# KiCad board SparkFun_Qwiic_WAV_Trigger_Pro_panelized.kicad_pcb (continued)
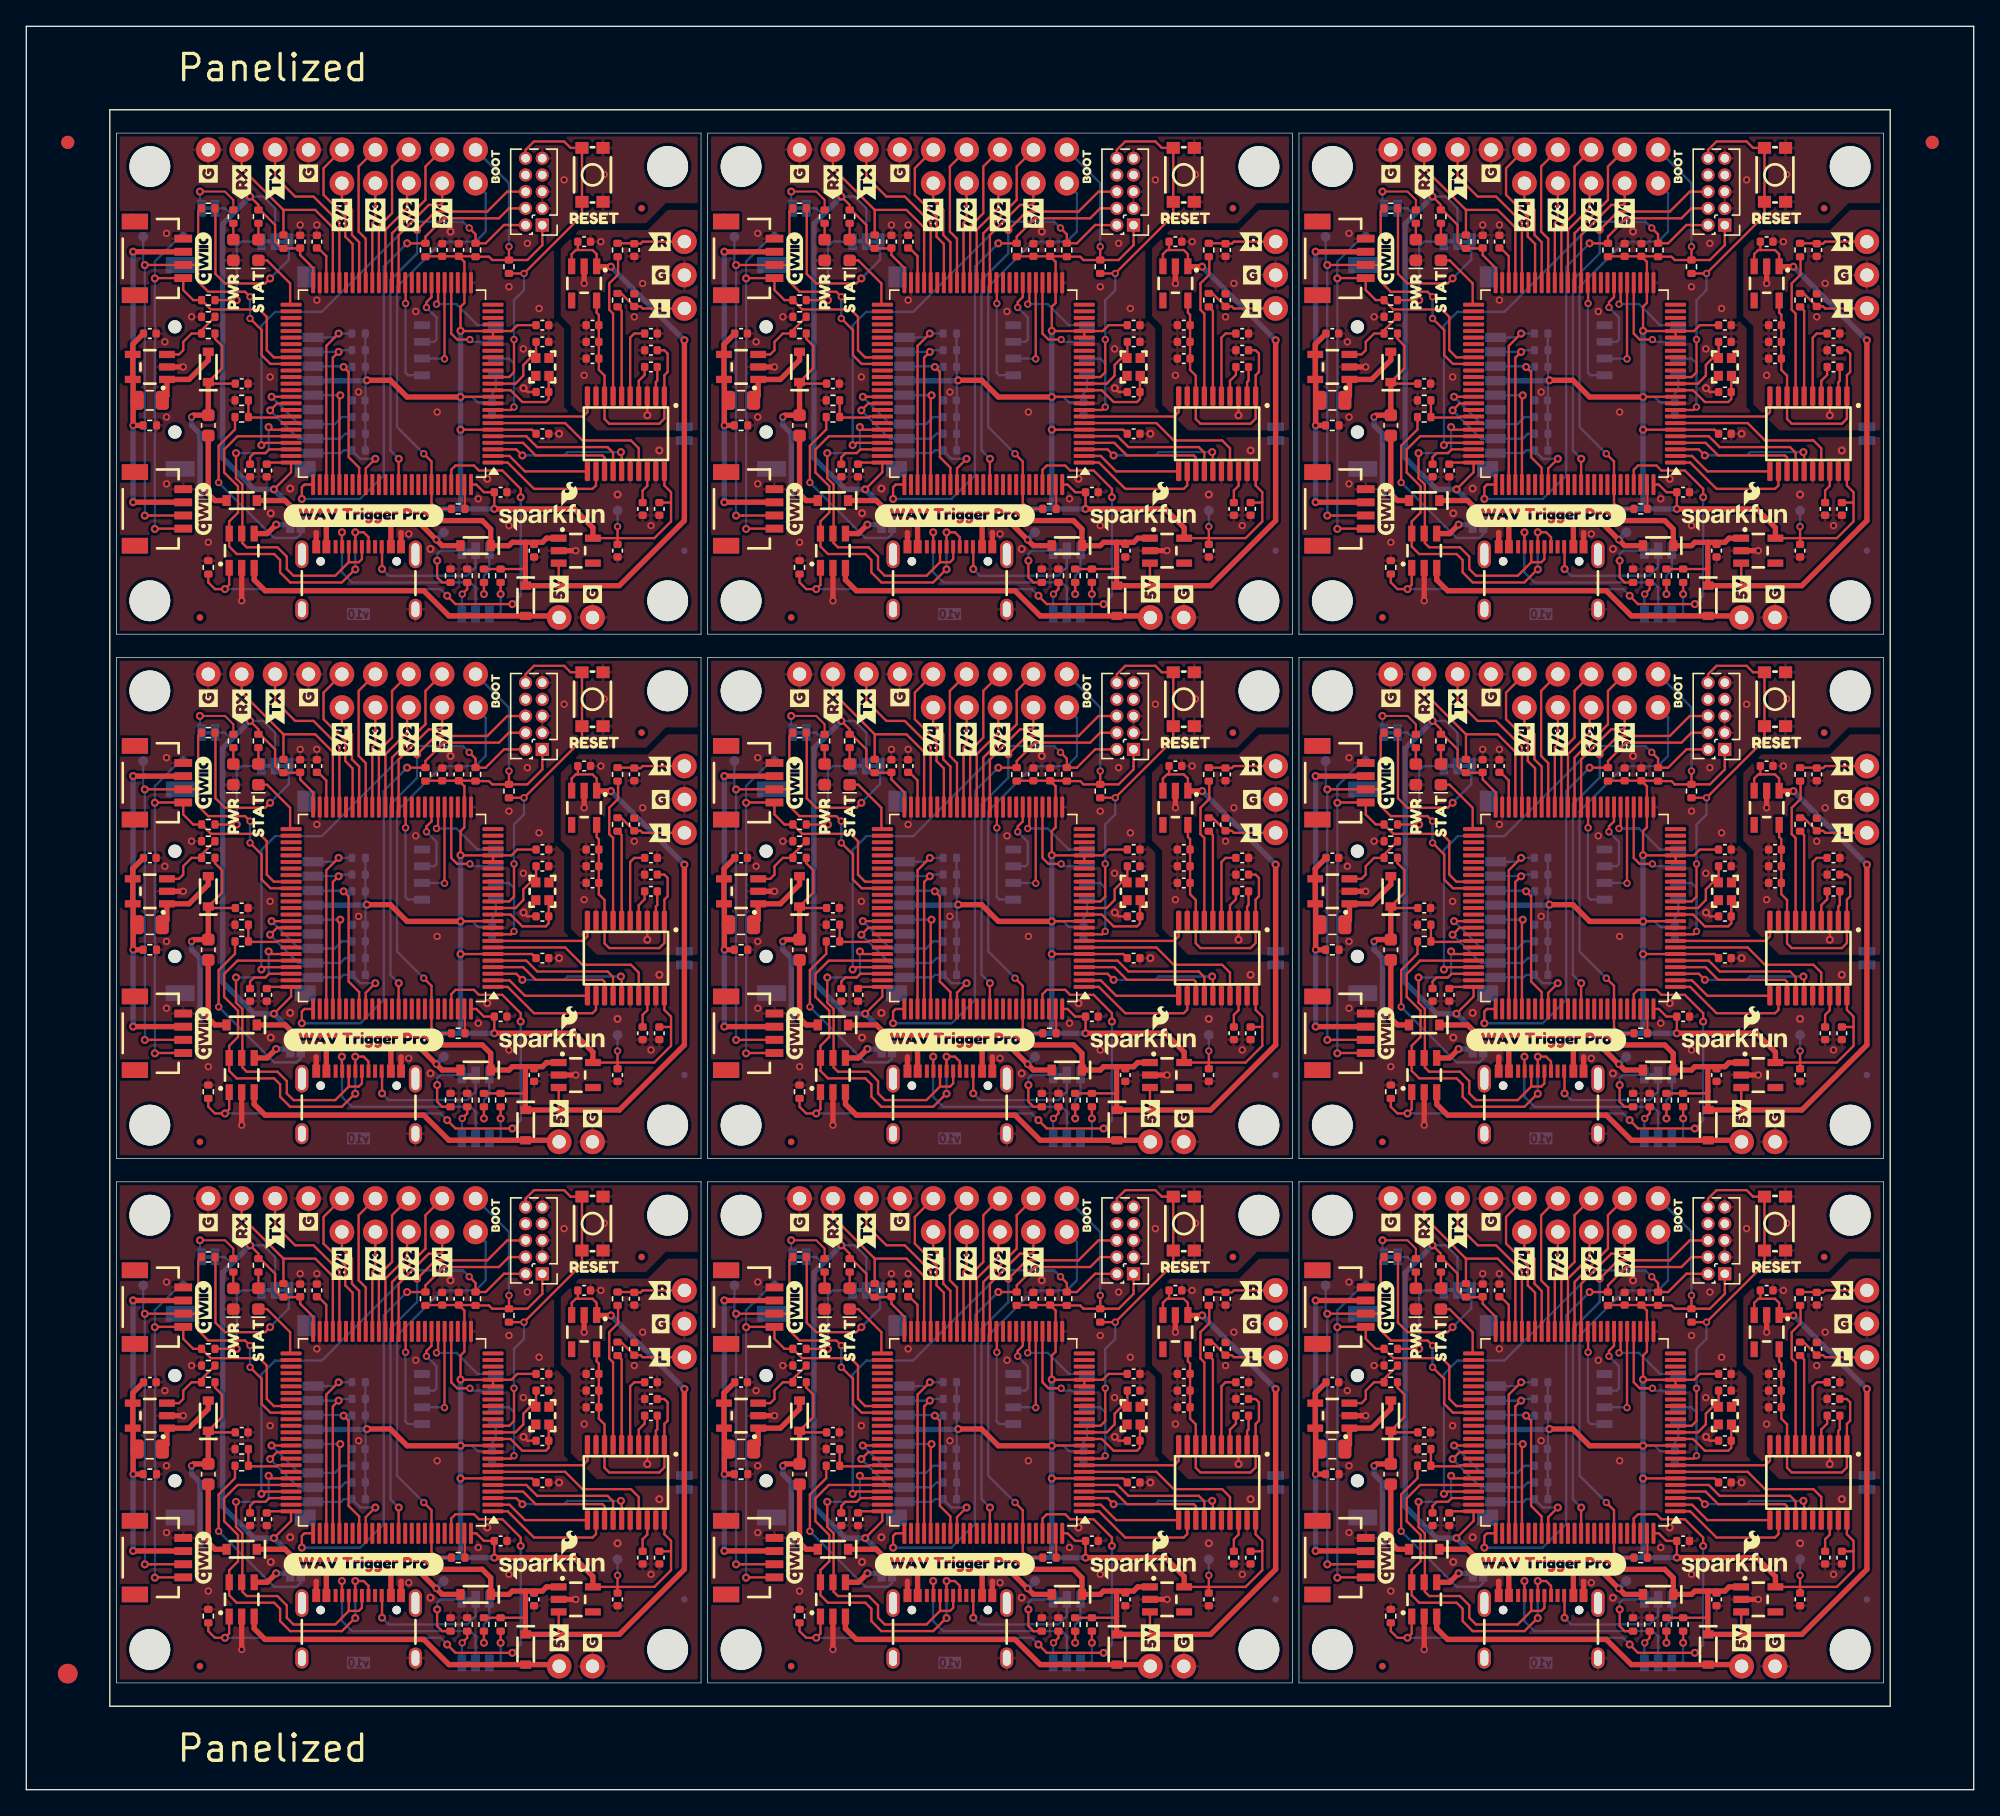
[diagram p0: board, top side]
## Placement (name value [footprint] x y rotation side) (continued)
U1#4  TPD3S014  [SOT23-6]  61.33 54.34 90 top
U1#5  TPD3S014  [SOT23-6]  106.27 94.21 90 top
U1#6  TPD3S014  [SOT23-6]  106.27 14.47 90 top
U1#7  TPD3S014  [SOT23-6]  16.38 94.21 90 top
U1#8  TPD3S014  [SOT23-6]  106.27 54.34 90 top
U1#9  TPD3S014  [SOT23-6]  16.38 14.47 90 top
U2  AP2112K-3.3  [SOT23-5]  86.73 54.34 0 top
U2#2  AP2112K-3.3  [SOT23-5]  86.73 94.21 0 top
U2#3  AP2112K-3.3  [SOT23-5]  131.68 94.21 0 top
U2#4  AP2112K-3.3  [SOT23-5]  86.73 14.47 0 top
U2#5  AP2112K-3.3  [SOT23-5]  41.77 94.21 0 top
U2#6  AP2112K-3.3  [SOT23-5]  131.68 54.34 0 top
U2#7  AP2112K-3.3  [SOT23-5]  131.68 14.47 0 top
U2#8  AP2112K-3.3  [SOT23-5]  41.77 54.34 0 top
U2#9  AP2112K-3.3  [SOT23-5]  41.77 14.47 0 top
U3  STM32H750VBTx  [LQFP-100_14x14mm_P0.5mm]  117.7 106.91 180 top
U3#2  STM32H750VBTx  [LQFP-100_14x14mm_P0.5mm]  72.76 27.17 180 top
U3#3  STM32H750VBTx  [LQFP-100_14x14mm_P0.5mm]  27.8 67.04 180 top
U3#4  STM32H750VBTx  [LQFP-100_14x14mm_P0.5mm]  27.8 106.91 180 top
U3#5  STM32H750VBTx  [LQFP-100_14x14mm_P0.5mm]  72.76 67.04 180 top
U3#6  STM32H750VBTx  [LQFP-100_14x14mm_P0.5mm]  72.76 106.91 180 top
U3#7  STM32H750VBTx  [LQFP-100_14x14mm_P0.5mm]  117.7 67.04 180 top
U3#8  STM32H750VBTx  [LQFP-100_14x14mm_P0.5mm]  117.7 27.17 180 top
U3#9  STM32H750VBTx  [LQFP-100_14x14mm_P0.5mm]  27.8 27.17 180 top
U4  LP5907MFX-3.3  [SOT23-5]  87.36 34.79 270 top
U4#2  LP5907MFX-3.3  [SOT23-5]  42.41 114.53 270 top
U4#3  LP5907MFX-3.3  [SOT23-5]  87.36 114.53 270 top
U4#4  LP5907MFX-3.3  [SOT23-5]  132.31 114.53 270 top
U4#5  LP5907MFX-3.3  [SOT23-5]  132.31 74.66 270 top
U4#6  LP5907MFX-3.3  [SOT23-5]  132.31 34.79 270 top
U4#7  LP5907MFX-3.3  [SOT23-5]  42.41 74.66 270 top
U4#8  LP5907MFX-3.3  [SOT23-5]  87.36 74.66 270 top
U4#9  LP5907MFX-3.3  [SOT23-5]  42.41 34.79 270 top
U5  PCM5100  [TSSOP-20_4.4x6.5mm_P0.65mm]  45.58 63.23 270 top
U5#2  PCM5100  [TSSOP-20_4.4x6.5mm_P0.65mm]  90.54 103.1 270 top
U5#3  PCM5100  [TSSOP-20_4.4x6.5mm_P0.65mm]  135.49 63.23 270 top
U5#4  PCM5100  [TSSOP-20_4.4x6.5mm_P0.65mm]  45.58 103.1 270 top
U5#5  PCM5100  [TSSOP-20_4.4x6.5mm_P0.65mm]  135.49 23.36 270 top
U5#6  PCM5100  [TSSOP-20_4.4x6.5mm_P0.65mm]  90.54 23.36 270 top
U5#7  PCM5100  [TSSOP-20_4.4x6.5mm_P0.65mm]  90.54 63.23 270 top
U5#8  PCM5100  [TSSOP-20_4.4x6.5mm_P0.65mm]  135.49 103.1 270 top
U5#9  PCM5100  [TSSOP-20_4.4x6.5mm_P0.65mm]  45.58 23.36 270 top
U6  AP3012  [SOT23-5]  9.39 108.18 180 top
U6#2  AP3012  [SOT23-5]  54.34 28.44 180 top
U6#3  AP3012  [SOT23-5]  54.34 108.18 180 top
U6#4  AP3012  [SOT23-5]  99.29 108.18 180 top
U6#5  AP3012  [SOT23-5]  54.34 68.31 180 top
U6#6  AP3012  [SOT23-5]  99.29 28.44 180 top
U6#7  AP3012  [SOT23-5]  99.29 68.31 180 top
U6#8  AP3012  [SOT23-5]  9.39 68.31 180 top
U6#9  AP3012  [SOT23-5]  9.39 28.44 180 top
U7  AT25SF041-SSHD-T  [SO-8]  32.89 69.58 0 bottom
U7#2  AT25SF041-SSHD-T  [SO-8]  77.83 29.71 0 bottom
U7#3  AT25SF041-SSHD-T  [SO-8]  77.83 109.45 0 bottom
U7#4  AT25SF041-SSHD-T  [SO-8]  32.89 109.45 0 bottom
U7#5  AT25SF041-SSHD-T  [SO-8]  77.83 69.58 0 bottom
U7#6  AT25SF041-SSHD-T  [SO-8]  122.79 109.45 0 bottom
U7#7  AT25SF041-SSHD-T  [SO-8]  122.79 29.71 0 bottom
U7#8  AT25SF041-SSHD-T  [SO-8]  122.79 69.58 0 bottom
U7#9  AT25SF041-SSHD-T  [SO-8]  32.89 29.71 0 bottom
U8  ~  [Ordering_Instructions]  169.21 30.59 0 top
Y1  24MHz  [Crystal_SMD_2.0x1.6mm]  39.23 68.31 270 top
Y1#2  24MHz  [Crystal_SMD_2.0x1.6mm]  84.18 108.18 270 top
Y1#3  24MHz  [Crystal_SMD_2.0x1.6mm]  39.23 108.18 270 top
Y1#4  24MHz  [Crystal_SMD_2.0x1.6mm]  84.18 28.44 270 top
Y1#5  24MHz  [Crystal_SMD_2.0x1.6mm]  84.18 68.31 270 top
Y1#6  24MHz  [Crystal_SMD_2.0x1.6mm]  129.13 108.18 270 top
Y1#7  24MHz  [Crystal_SMD_2.0x1.6mm]  129.13 28.44 270 top
Y1#8  24MHz  [Crystal_SMD_2.0x1.6mm]  129.13 68.31 270 top
Y1#9  24MHz  [Crystal_SMD_2.0x1.6mm]  39.23 28.44 270 top

## Library data of the parts
C1 C1#2-C1#8 C2 C2#2-C2#8 C26 C26#2-C26#8 C27 C27#2-C27#8 = -: Datasheet: https://cdn.sparkfun.com/assets/8/a/4/a/5/Kemet_Capacitor_Datasheet.pdf; Description: Unpolarized capacitor; PROD_ID: CAP-14969; Voltage: 16V; Tolerance: 10%
C1#9 C2#9 C26#9 C27#9 = -: Datasheet: https://cdn.sparkfun.com/assets/8/a/4/a/5/Kemet_Capacitor_Datasheet.pdf; Description: Unpolarized capacitor; PROD_ID: CAP-14969; Voltage: 16V; Tolerance: 10%; ki_fp_filters: C_*
C3 C3#2-C3#8 C4 C4#2-C4#8 C6 C6#2-C6#8 C7 C7#2-C7#8 C9 C9#2-C9#8 C10 C10#2-C10#8 C14 C14#2-C14#8 C16 C16#2-C16#8 C17 C17#2-C17#8 C18 C18#2-C18#8 C22 C22#2-C22#8 C25 C25#2-C25#8 C28 C28#2-C28#8 = -: Datasheet: https://cdn.sparkfun.com/assets/8/a/4/a/5/Kemet_Capacitor_Datasheet.pdf; Description: Unpolarized capacitor; PROD_ID: CAP-15083; Voltage: 10V; Tolerance: 10%
C3#9 C4#9 C6#9 C7#9 C9#9 C10#9 C14#9 C16#9 C17#9 C18#9 C22#9 C25#9 C28#9 = -: Datasheet: https://cdn.sparkfun.com/assets/8/a/4/a/5/Kemet_Capacitor_Datasheet.pdf; Description: Unpolarized capacitor; PROD_ID: CAP-15083; Voltage: 10V; Tolerance: 10%; ki_fp_filters: C_*
C5 C5#2-C5#8 C15 C15#2-C15#8 = -: Datasheet: https://cdn.sparkfun.com/assets/8/a/4/a/5/Kemet_Capacitor_Datasheet.pdf; Description: Unpolarized capacitor; PROD_ID: CAP-14240; Voltage: 6.3V; Tolerance: 20%
C5#9 C15#9 = -: Datasheet: https://cdn.sparkfun.com/assets/8/a/4/a/5/Kemet_Capacitor_Datasheet.pdf; Description: Unpolarized capacitor; PROD_ID: CAP-14240; Voltage: 6.3V; Tolerance: 20%; ki_fp_filters: C_*
C8 C8#2-C8#8 C13 C13#2-C13#8 C20 C20#2-C20#8 C21 C21#2-C21#8 = -: Datasheet: https://cdn.sparkfun.com/assets/8/a/4/a/5/Kemet_Capacitor_Datasheet.pdf; Description: Unpolarized capacitor; PROD_ID: CAP-14232; Voltage: 10V; Tolerance: 10%
C8#9 C13#9 C20#9 C21#9 = -: Datasheet: https://cdn.sparkfun.com/assets/8/a/4/a/5/Kemet_Capacitor_Datasheet.pdf; Description: Unpolarized capacitor; PROD_ID: CAP-14232; Voltage: 10V; Tolerance: 10%; ki_fp_filters: C_*
C11 C11#2-C11#8 C12 C12#2-C12#8 = -: Datasheet: https://cdn.sparkfun.com/assets/8/a/4/a/5/Kemet_Capacitor_Datasheet.pdf; Description: Unpolarized capacitor; PROD_ID: CAP-14843; Voltage: 50V; Tolerance: 5%
C11#9 C12#9 = -: Datasheet: https://cdn.sparkfun.com/assets/8/a/4/a/5/Kemet_Capacitor_Datasheet.pdf; Description: Unpolarized capacitor; PROD_ID: CAP-14843; Voltage: 50V; Tolerance: 5%; ki_fp_filters: C_*
C19 C19#2-C19#8 = -: Datasheet: https://cdn.sparkfun.com/assets/8/a/4/a/5/Kemet_Capacitor_Datasheet.pdf; Description: Unpolarized capacitor; PROD_ID: CAP-14848; Voltage: 6.3V; Tolerance: 20%
C19#9 = -: Datasheet: https://cdn.sparkfun.com/assets/8/a/4/a/5/Kemet_Capacitor_Datasheet.pdf; Description: Unpolarized capacitor; PROD_ID: CAP-14848; Voltage: 6.3V; Tolerance: 20%; ki_fp_filters: C_*
C23 C23#2-C23#8 C24 C24#2-C24#8 = -: Datasheet: https://cdn.sparkfun.com/assets/8/a/4/a/5/Kemet_Capacitor_Datasheet.pdf; Description: Unpolarized capacitor; PROD_ID: CAP-22103; Voltage: 50V; Tolerance: 10%
C23#9 C24#9 = -: Datasheet: https://cdn.sparkfun.com/assets/8/a/4/a/5/Kemet_Capacitor_Datasheet.pdf; Description: Unpolarized capacitor; PROD_ID: CAP-22103; Voltage: 50V; Tolerance: 10%; ki_fp_filters: C_*
D1 D1#2-D1#8 D2 D2#2-D2#8 D6 D6#2-D6#8 = -: Datasheet: https://www.infineon.com/dgdl/bat60aseries.pdf?folderId=db3a304313d846880113def5812204a1&fileId=db3a304313d846880113def70c9304a9; Description: Schottky diode; PROD_ID: DIO-14072; IMax: 3A; VDrop: 0.28V; VMax: 10V
D1#9 D2#9 D6#9 = -: Datasheet: https://www.infineon.com/dgdl/bat60aseries.pdf?folderId=db3a304313d846880113def5812204a1&fileId=db3a304313d846880113def70c9304a9; Description: Schottky diode; PROD_ID: DIO-14072; IMax: 3A; VDrop: 0.28V; VMax: 10V; ki_fp_filters: TO-???* *_Diode_* *SingleDiode* D_*
D3 D3#2-D3#8 = -: Datasheet: https://docs.broadcom.com/docs/AV02-0551EN; Description: Light emitting diode; PROD_ID: DIO-17976
D3#9 = -: Datasheet: https://docs.broadcom.com/docs/AV02-0551EN; Description: Light emitting diode; PROD_ID: DIO-17976; ki_fp_filters: LED* LED_SMD:* LED_THT:*
D4 D4#2-D4#8 = -: Datasheet: https://docs.broadcom.com/docs/AV02-0551EN; Description: Light emitting diode; PROD_ID: DIO-00821
D4#9 = -: Datasheet: https://docs.broadcom.com/docs/AV02-0551EN; Description: Light emitting diode; PROD_ID: DIO-00821; ki_fp_filters: LED* LED_SMD:* LED_THT:*
D5 D5#2-D5#8 = -: Datasheet: https://assets.nexperia.com/documents/data-sheet/PMEG4005EJ.pdf; Description: Schottky diode; PROD_ID: DIO-10955; VDrop: 0.42V; VMax: 40V; IMax: 0.5A
D5#9 = -: Datasheet: https://assets.nexperia.com/documents/data-sheet/PMEG4005EJ.pdf; Description: Schottky diode; PROD_ID: DIO-10955; VDrop: 0.42V; VMax: 40V; IMax: 0.5A; ki_fp_filters: TO-???* *_Diode_* *SingleDiode* D_*
FID1 FID1#2-FID1#8 FID2 FID2#2-FID2#8 FID3 FID3#2-FID3#8 FID4 FID4#2-FID4#8 = -: Description: Fiducial Marker
FID1#9 FID2#9 FID3#9 FID4#9 = -: Description: Fiducial Marker; ki_fp_filters: Fiducial*
J1 J1#2-J1#8 J10 J10#2-J10#8 = -: Description: Generic connector, single row, 01x02, script generated (kicad-library-utils/schlib/autogen/connector/)
J1#9 J10#9 = -: Description: Generic connector, single row, 01x02, script generated (kicad-library-utils/schlib/autogen/connector/); ki_fp_filters: Connector*:*_1x??_*
J2 J2#2-J2#8 = -: Datasheet: https://www.usb.org/sites/default/files/documents/usb_type-c.zip; Description: USB 2.0-only Type-C Receptacle connector; PROD_ID: CONN-14122
J2#9 = -: Datasheet: https://www.usb.org/sites/default/files/documents/usb_type-c.zip; Description: USB 2.0-only Type-C Receptacle connector; PROD_ID: CONN-14122; ki_fp_filters: USB*C*Receptacle*
J3 J3#2-J3#8 J4 J4#2-J4#8 = -: Datasheet: https://www.jst-mfg.com/product/pdf/eng/eSH.pdf; Description: 4 pin JST 1mm polarized connector for I2C; PROD_ID: CONN-13694
J3#9 J4#9 = -: Datasheet: https://www.jst-mfg.com/product/pdf/eng/eSH.pdf; Description: 4 pin JST 1mm polarized connector for I2C; PROD_ID: CONN-13694; ki_fp_filters: Connector*:*_1x??_*
J5 J5#2-J5#8 = -: Datasheet: https://datasheet.lcsc.com/lcsc/2110151630_XKB-Connectivity-XKTF-015-N_C381082.pdf; Description: Micro SD socket External Pin; PROD_ID: CONN-16110
J5#9 = -: Datasheet: https://datasheet.lcsc.com/lcsc/2110151630_XKB-Connectivity-XKTF-015-N_C381082.pdf; Description: Micro SD socket External Pin; PROD_ID: CONN-16110; ki_fp_filters: microSD*
J6 J6#2-J6#8 = -: Description: Generic connector, single row, 01x08, script generated (kicad-library-utils/schlib/autogen/connector/)
J6#9 = -: Description: Generic connector, single row, 01x08, script generated (kicad-library-utils/schlib/autogen/connector/); ki_fp_filters: Connector*:*_1x??_*
J7 J7#2-J7#9 = -: Datasheet: https://cdn.sparkfun.com/assets/3/0/b/4/0/00140.pdf; Description: Cortex Debug Connector 10 pin; SF_ID: PRT-15362
J8 J8#2-J8#8 = -: Description: Generic connector, single row, 01x03, script generated (kicad-library-utils/schlib/autogen/connector/)
J8#9 = -: Description: Generic connector, single row, 01x03, script generated (kicad-library-utils/schlib/autogen/connector/); ki_fp_filters: Connector*:*_1x??_*
J9 J9#2-J9#8 = -: Description: Generic connector, single row, 01x04, script generated (kicad-library-utils/schlib/autogen/connector/)
J9#9 = -: Description: Generic connector, single row, 01x04, script generated (kicad-library-utils/schlib/autogen/connector/); ki_fp_filters: Connector*:*_1x??_*
JP1 JP1#2-JP1#8 JP2 JP2#2-JP2#8 = -: Description: 3-pole Solder Jumper, pins 1+2 closed/bridged
JP1#9 JP2#9 = -: Description: 3-pole Solder Jumper, pins 1+2 closed/bridged; ki_fp_filters: SolderJumper*Bridged12*
JP3 JP3#2-JP3#8 = -: Description: Solder Jumper, 2-pole, open
JP3#9 = -: Description: Solder Jumper, 2-pole, open; ki_fp_filters: SolderJumper*Open*
JP4 JP4#2-JP4#8 JP6 JP6#2-JP6#8 = -: Description: Solder Jumper, 2-pole, closed/bridged
JP4#9 JP6#9 = -: Description: Solder Jumper, 2-pole, closed/bridged; ki_fp_filters: SolderJumper*Bridged*
JP5 JP5#2-JP5#8 = -: Description: Solder Jumper, 3-pole, pins 1+2+3 closed/bridged
JP5#9 = -: Description: Solder Jumper, 3-pole, pins 1+2+3 closed/bridged; ki_fp_filters: SolderJumper*Bridged123*
L1 L1#2-L1#8 = -: Description: Inductor; PROD_ID: NDUC-19198; Current: 350mA
L1#9 = -: Description: Inductor; PROD_ID: NDUC-19198; Current: 350mA; ki_fp_filters: Choke_* *Coil* Inductor_* L_*
L2 L2#2-L2#8 = -: Datasheet: https://product.tdk.com/en/system/files?file=dam/doc/product/emc/emc/beads/catalog/beads_commercial_power_mpz1608_en.pdf; Description: Inductor; PROD_ID: NDUC-07859; Frequency: 100MHz
L2#9 = -: Datasheet: https://product.tdk.com/en/system/files?file=dam/doc/product/emc/emc/beads/catalog/beads_commercial_power_mpz1608_en.pdf; Description: Inductor; PROD_ID: NDUC-07859; Frequency: 100MHz; ki_fp_filters: Choke_* *Coil* Inductor_* L_*
R1 R1#2-R1#8 R8 R8#2-R8#8 R9 R9#2-R9#8 R16 R16#2-R16#8 R17 R17#2-R17#8 R21 R21#2-R21#8 R22 R22#2-R22#8 = -: Datasheet: https://www.vishay.com/docs/20035/dcrcwe3.pdf; Description: Resistor; PROD_ID: RES-14241
R1#9 R8#9 R9#9 R16#9 R17#9 R21#9 R22#9 = -: Datasheet: https://www.vishay.com/docs/20035/dcrcwe3.pdf; Description: Resistor; PROD_ID: RES-14241; ki_fp_filters: R_*
R2 R2#2-R2#8 R4 R4#2-R4#8 = -: Datasheet: https://www.vishay.com/docs/20035/dcrcwe3.pdf; Description: Resistor; PROD_ID: RES-22102
R2#9 R4#9 = -: Datasheet: https://www.vishay.com/docs/20035/dcrcwe3.pdf; Description: Resistor; PROD_ID: RES-22102; ki_fp_filters: R_*
R3 R3#2-R3#8 R5 R5#2-R5#8 = -: Datasheet: https://www.vishay.com/docs/20035/dcrcwe3.pdf; Description: Resistor; PROD_ID: RES-14340
R3#9 R5#9 = -: Datasheet: https://www.vishay.com/docs/20035/dcrcwe3.pdf; Description: Resistor; PROD_ID: RES-14340; ki_fp_filters: R_*
R6 R6#2-R6#8 = -: Datasheet: https://www.vishay.com/docs/20035/dcrcwe3.pdf; Description: Resistor; PROD_ID: RES-15343
R6#9 = -: Datasheet: https://www.vishay.com/docs/20035/dcrcwe3.pdf; Description: Resistor; PROD_ID: RES-15343; ki_fp_filters: R_*
R7 R7#2-R7#8 R10 R10#2-R10#8 R12 R12#2-R12#8 R13 R13#2-R13#8 R14 R14#2-R14#8 R18 R18#2-R18#8 R20 R20#2-R20#8 R23 R23#2-R23#8 R25 R25#2-R25#8 = -: Datasheet: https://www.vishay.com/docs/20035/dcrcwe3.pdf; Description: Resistor; PROD_ID: RES-13495
R7#9 R10#9 R12#9 R13#9 R14#9 R18#9 R20#9 R23#9 R25#9 = -: Datasheet: https://www.vishay.com/docs/20035/dcrcwe3.pdf; Description: Resistor; PROD_ID: RES-13495; ki_fp_filters: R_*
R11 R11#2-R11#8 R15 R15#2-R15#8 = -: Datasheet: https://www.vishay.com/docs/20035/dcrcwe3.pdf; Description: Resistor; PROD_ID: RES-14341
R11#9 R15#9 = -: Datasheet: https://www.vishay.com/docs/20035/dcrcwe3.pdf; Description: Resistor; PROD_ID: RES-14341; ki_fp_filters: R_*
R19 R19#2-R19#8 = -: Datasheet: https://www.vishay.com/docs/20035/dcrcwe3.pdf; Description: Resistor; PROD_ID: RES-14342
R19#9 = -: Datasheet: https://www.vishay.com/docs/20035/dcrcwe3.pdf; Description: Resistor; PROD_ID: RES-14342; ki_fp_filters: R_*
R24 R24#2-R24#8 = -: Datasheet: https://www.vishay.com/docs/20035/dcrcwe3.pdf; Description: Resistor; PROD_ID: RES-15128
R24#9 = -: Datasheet: https://www.vishay.com/docs/20035/dcrcwe3.pdf; Description: Resistor; PROD_ID: RES-15128; ki_fp_filters: R_*
R26 R26#2-R26#8 = -: Datasheet: https://www.vishay.com/docs/20035/dcrcwe3.pdf; Description: Resistor; PROD_ID: RES-13766
R26#9 = -: Datasheet: https://www.vishay.com/docs/20035/dcrcwe3.pdf; Description: Resistor; PROD_ID: RES-13766; ki_fp_filters: R_*
R27 R27#2-R27#8 = -: Datasheet: https://www.vishay.com/docs/20035/dcrcwe3.pdf; Description: Resistor; PROD_ID: RES-22993
R27#9 = -: Datasheet: https://www.vishay.com/docs/20035/dcrcwe3.pdf; Description: Resistor; PROD_ID: RES-22993; ki_fp_filters: R_*
ST1 ST1#2-ST1#8 ST2 ST2#2-ST2#8 ST3 ST3#2-ST3#8 ST4 ST4#2-ST4#8 = -: Description: Drill holes for mechanically mounting via screws, standoffs, etc.
ST1#9 ST2#9 ST3#9 ST4#9 = -: Description: Drill holes for mechanically mounting via screws, standoffs, etc.; ki_fp_filters: Fiducial*
SW1 SW1#2-SW1#9 = -: Description: Single Pole Single Throw (SPST) switch; PROD_ID: SWCH-15606
TP1 TP1#2-TP1#8 TP2 TP2#2-TP2#8 TP3 TP3#2-TP3#8 TP4 TP4#2-TP4#8 TP5 TP5#2-TP5#8 = -: Description: Test Point
TP1#9 TP2#9 TP3#9 TP4#9 TP5#9 = -: Description: Test Point; ki_fp_filters: Pin* Test*
U1 U1#2-U1#8 = -: Datasheet: http://www.ti.com/lit/ds/symlink/tpd3s014.pdf; Description: Current Limit Switch and D+/D– ESD Protection for USB Host Port, 0.5A, SOT-23-6; PROD_ID: IC-22104
U1#9 = -: Datasheet: http://www.ti.com/lit/ds/symlink/tpd3s014.pdf; Description: Current Limit Switch and D+/D– ESD Protection for USB Host Port, 0.5A, SOT-23-6; PROD_ID: IC-22104; ki_fp_filters: SOT?23*
U2 U2#2-U2#8 = -: Datasheet: https://www.diodes.com/assets/Datasheets/AP2112.pdf; Description: 600mA low dropout linear regulator, with enable pin, 3.8V-6V input voltage range, 3.3V fixed positive output, SOT-23-5; PROD_ID: VREG-12457; VMax: 6V; Imax: 600mA; Iq: 55µA
U2#9 = -: Datasheet: https://www.diodes.com/assets/Datasheets/AP2112.pdf; Description: 600mA low dropout linear regulator, with enable pin, 3.8V-6V input voltage range, 3.3V fixed positive output, SOT-23-5; PROD_ID: VREG-12457; VMax: 6V; Imax: 600mA; Iq: 55µA; ki_fp_filters: SOT?23?5*
U3 U3#2-U3#8 = -: Datasheet: https://www.st.com/resource/en/datasheet/stm32h750vb.pdf; Description: STM32; PROD_ID: IC-22101
U3#9 = -: Datasheet: https://www.st.com/resource/en/datasheet/stm32h750vb.pdf; Description: STM32; PROD_ID: IC-22101; ki_fp_filters: LQFP*14x14mm*P0.5mm*
U4 U4#2-U4#8 = -: Datasheet: http://www.ti.com/lit/ds/symlink/lp5907.pdf; Description: 250mA Ultra-Low-Noise Low-IQ LDO, 3.3V, SOT-23; PROD_ID: IC-22105
U4#9 = -: Datasheet: http://www.ti.com/lit/ds/symlink/lp5907.pdf; Description: 250mA Ultra-Low-Noise Low-IQ LDO, 3.3V, SOT-23; PROD_ID: IC-22105; ki_fp_filters: SOT?23*
U5 U5#2-U5#8 = -: Datasheet: http://www.ti.com/lit/ds/symlink/pcm5100.pdf; Description: 2VRMS DirectPath, 100dB Audio Stereo DAC with 32-bit, 384kHz PCM Interface, TSSOP-20; PROD_ID: IC-11708
U5#9 = -: Datasheet: http://www.ti.com/lit/ds/symlink/pcm5100.pdf; Description: 2VRMS DirectPath, 100dB Audio Stereo DAC with 32-bit, 384kHz PCM Interface, TSSOP-20; PROD_ID: IC-11708; ki_fp_filters: TSSOP*4.4x6.5mm*P0.65mm*
U6 U6#2-U6#8 = -: Datasheet: https://www.diodes.com/assets/Datasheets/AP3012.pdf; Description: 500mA, Adjustable Step-Up Voltage Regulator, 1.5MHz Frequency, SOT-23-5; PROD_ID: VREG-13911
U6#9 = -: Datasheet: https://www.diodes.com/assets/Datasheets/AP3012.pdf; Description: 500mA, Adjustable Step-Up Voltage Regulator, 1.5MHz Frequency, SOT-23-5; PROD_ID: VREG-13911; ki_fp_filters: SOT?23*
U7 U7#2-U7#8 = -: Datasheet: https://www.renesas.com/us/en/document/dst/at25sf041-datasheet?language=en; Description: 4Mb Serial Flash Memory, Standard/Dual/Quad SPI, 8-SOIC; PROD_ID: IC-12455
U7#9 = -: Datasheet: https://www.renesas.com/us/en/document/dst/at25sf041-datasheet?language=en; Description: 4Mb Serial Flash Memory, Standard/Dual/Quad SPI, 8-SOIC; PROD_ID: IC-12455; ki_fp_filters: SOIC*5.23x5.23mm*P1.27mm*
Y1 Y1#2-Y1#8 = -: Datasheet: https://www.murata.com/products/productdata/8801075560478/SPEC-XRCGB24M000F2P00R0.pdf; Description: Crystal; PROD_ID: XTAL-14845
Y1#9 = -: Datasheet: https://www.murata.com/products/productdata/8801075560478/SPEC-XRCGB24M000F2P00R0.pdf; Description: Crystal; PROD_ID: XTAL-14845; ki_fp_filters: Crystal*

## Footprints (pads in the part's own frame, mm; a bottom-side part is the same pattern mirrored in y, then rotated)
1x02
  round 1.88 hole 1.016: 1(0,0) 2(2.54,0)
1x03
  round 1.88 hole 1.016: 1(0,0) 2(2.54,0) 3(5.08,0)
1x04
  round 1.88 hole 1.016: 1(0,0) 2(2.54,0) 3(5.08,0) 4(7.62,0)
1x08
  round 1.88 hole 1.016: 1(0,0) 2(2.54,0) 3(5.08,0) 4(7.62,0) 5(10.16,0) 6(12.7,0) 7(15.24,0) 8(17.78,0)
2x05_P1.27mm
  rect 1x1 hole 0.65: 1(0,0)
  oval 1x1 hole 0.65: 2(1.27,0) 3(0,-1.27) 4(1.27,-1.27) 5(0,-2.54) 6(1.27,-2.54) 7(0,-3.81) 8(1.27,-3.81) 9(0,-5.08) 10(1.27,-5.08)
C_0402_1005Metric
  rrect 0.56x0.62 smd: 1(-0.48,0) 2(0.48,0)
C_0603_1608Metric
  rrect 0.9x0.95 smd: 1(-0.775,0) 2(0.775,0)
C_0805_2012Metric
  rrect 1x1.45 smd: 1(-0.95,0) 2(0.95,0)
Crystal_SMD_2.0x1.6mm
  rect 0.75x0.7 smd: 1(-0.675,-0.5) 2(0.675,0.5) NC(-0.675,0.5) NC(0.675,-0.5)
Fiducial_0.5mm_Mask1mm
  round 0.5 smd: (0,0)
Fiducial_1.5mm_Mask3mm
  round 1.5 smd: (0,0)
Fiducial_1mm_Mask3mm
  round 1 smd: (0,0)
JST_SMD_1.0mm-4_RA
  rect 0.6x1.35 smd: 1(-1.5,0) 2(-0.5,0) 3(0.5,0) 4(1.5,0)
  rect 1.2x2 smd: NC1(2.8,-3.675) NC2(-2.8,-3.675)
Jumper_2_NC_Trace
  rect 0.66x1.27 smd: 1(-0.521,0) 2(0.521,0)
Jumper_2_NO
  rect 0.635x1.27 smd: 1(-0.406,0) 2(0.406,0)
Jumper_3_NC-1_Trace
  rect 0.66x1.27 smd: 1(-1.041,0) 2(0,0) 3(1.041,0)
Jumper_3_NC-2_Trace
  rect 0.66x1.27 smd: 1(-1.041,0) 2(0,0) 3(1.041,0)
LED_0603_1608Metric_Green
  rrect 0.875x0.95 smd: 1(-0.787,0) 2(0.787,0)
LED_0603_1608Metric_Red
  rrect 0.875x0.95 smd: 1(-0.787,0) 2(0.787,0)
LQFP-100_14x14mm_P0.5mm
  rrect 1.6x0.3 smd: 1(-7.675,6) 2(-7.675,5.5) 3(-7.675,5) 4(-7.675,4.5) 5(-7.675,4) 6(-7.675,3.5) 7(-7.675,3) 8(-7.675,2.5) 9(-7.675,2) 10(-7.675,1.5) 11(-7.675,1) 12(-7.675,0.5) 13(-7.675,0) 14(-7.675,-0.5) 15(-7.675,-1) 16(-7.675,-1.5) 17(-7.675,-2) 18(-7.675,-2.5) 19(-7.675,-3) 20(-7.675,-3.5) 21(-7.675,-4) 22(-7.675,-4.5) 23(-7.675,-5) 24(-7.675,-5.5) 25(-7.675,-6) 51(7.675,-6) 52(7.675,-5.5) 53(7.675,-5) 54(7.675,-4.5) 55(7.675,-4) 56(7.675,-3.5) 57(7.675,-3) 58(7.675,-2.5) 59(7.675,-2) 60(7.675,-1.5) 61(7.675,-1) 62(7.675,-0.5) 63(7.675,0) 64(7.675,0.5) 65(7.675,1) 66(7.675,1.5) 67(7.675,2) 68(7.675,2.5) 69(7.675,3) 70(7.675,3.5) 71(7.675,4) 72(7.675,4.5) 73(7.675,5) 74(7.675,5.5) 75(7.675,6)
  rrect 0.3x1.6 smd: 26(-6,-7.675) 27(-5.5,-7.675) 28(-5,-7.675) 29(-4.5,-7.675) 30(-4,-7.675) 31(-3.5,-7.675) 32(-3,-7.675) 33(-2.5,-7.675) 34(-2,-7.675) 35(-1.5,-7.675) 36(-1,-7.675) 37(-0.5,-7.675) 38(0,-7.675) 39(0.5,-7.675) 40(1,-7.675) 41(1.5,-7.675) 42(2,-7.675) 43(2.5,-7.675) 44(3,-7.675) 45(3.5,-7.675) 46(4,-7.675) 47(4.5,-7.675) 48(5,-7.675) 49(5.5,-7.675) 50(6,-7.675) 76(6,7.675) 77(5.5,7.675) 78(5,7.675) 79(4.5,7.675) 80(4,7.675) 81(3.5,7.675) 82(3,7.675) 83(2.5,7.675) 84(2,7.675) 85(1.5,7.675) 86(1,7.675) 87(0.5,7.675) 88(0,7.675) 89(-0.5,7.675) 90(-1,7.675) 91(-1.5,7.675) 92(-2,7.675) 93(-2.5,7.675) 94(-3,7.675) 95(-3.5,7.675) 96(-4,7.675) 97(-4.5,7.675) 98(-5,7.675) 99(-5.5,7.675) 100(-6,7.675)
microSD_External_Pin
  round 1 hole 1 unplated: (-4.95,0) (3.05,0)
  rect 0.7x1.6 smd: 1(2.25,10.5) 2(1.15,10.5) 3(0.05,10.5) 4(-1.05,10.5) 5(-2.15,10.5) 6(-3.25,10.5) 7(-4.35,10.5) 8(-5.45,10.5) 9(-6.55,10.5)
  rect 1.2x1.6 smd: 10(-7.75,9.9)
  rect 1.2x2.2 smd: 11(-7.75,0.4) 12(7.75,0.4)
  rect 1.6x1.4 smd: 13(6.85,10)
Push_SMD_4.6x2.8mm_h2.5mm
  rect 0.9x1 smd: 1(-2.05,0.8) 1(2.05,0.8) 2(-2.05,-0.8) 2(2.05,-0.8)
R_0402_1005Metric
  rrect 0.54x0.64 smd: 1(-0.51,0) 2(0.51,0)
SO-8
  rect 1.2x0.6 smd: 1(-2.8,1.905) 2(-2.8,0.635) 3(-2.8,-0.635) 4(-2.8,-1.905) 5(2.8,-1.905) 6(2.8,-0.635) 7(2.8,0.635) 8(2.8,1.905)
SOD-323
  rect 0.63x0.83 smd: A(1.15,0) C(-1.15,0)
SOT23-5
  rect 1.2x0.55 smd: 1(-1.3,0.95) 2(-1.3,0) 3(-1.3,-0.95) 4(1.3,-0.95) 5(1.3,0.95)
SOT23-6
  rect 1.2x0.55 smd: 1(-1.3,0.95) 2(-1.3,0) 3(-1.3,-0.95) 4(1.3,-0.95) 5(1.3,0) 6(1.3,0.95)
Standoff
  round 3.1 hole 3.1 unplated: (0,0)
TestPoint-0.75mm
  rrect 0.75x0.75 smd: 1(0,0)
TSSOP-20_4.4x6.5mm_P0.65mm
  rrect 1.475x0.4 smd: 1(-2.862,2.925) 2(-2.862,2.275) 3(-2.862,1.625) 4(-2.862,0.975) 5(-2.862,0.325) 6(-2.862,-0.325) 7(-2.862,-0.975) 8(-2.862,-1.625) 9(-2.862,-2.275) 10(-2.862,-2.925) 11(2.862,-2.925) 12(2.862,-2.275) 13(2.862,-1.625) 14(2.862,-0.975) 15(2.862,-0.325) 16(2.862,0.325) 17(2.862,0.975) 18(2.862,1.625) 19(2.862,2.275) 20(2.862,2.925)
USB-C_16
  round 0.65 hole 0.65 unplated: (-2.89,-1.445) (2.89,-1.445)
  rect 0.3x1 smd: A5(-1.25,-0.34) A6(-0.25,-0.34) A7(0.25,-0.34) A8(1.25,-0.34) B5(1.75,-0.34) B6(0.75,-0.34) B7(-0.75,-0.34) B8(-1.75,-0.34)
  rect 0.6x1 smd: GND(-3.225,-0.34) GND(3.225,-0.34) VBUS(-2.45,-0.34) VBUS(2.45,-0.34)
  oval 1x1.6 hole 0.6x1.2: NC1(-4.318,-5.095) S(4.318,-5.095)
  oval 1x2.1 hole 0.6x1.7: NC2(-4.318,-0.915) NC3(4.318,-0.915)

## Nets
